# Altium PCB keyboard.PcbDoc (part 3 of 3)
Units mil, origin at the board's own origin, x right, y up, seen from the top; angles counter-clockwise.
Board outline 13687.52 x 5395.09 mil, 2 copper layers (Top Layer, Bottom Layer), stack 61.89 mil thick; 91 components, 118 nets, 875 pads, 1755 vias.
Unrouted connection lines stored in the file: 101.
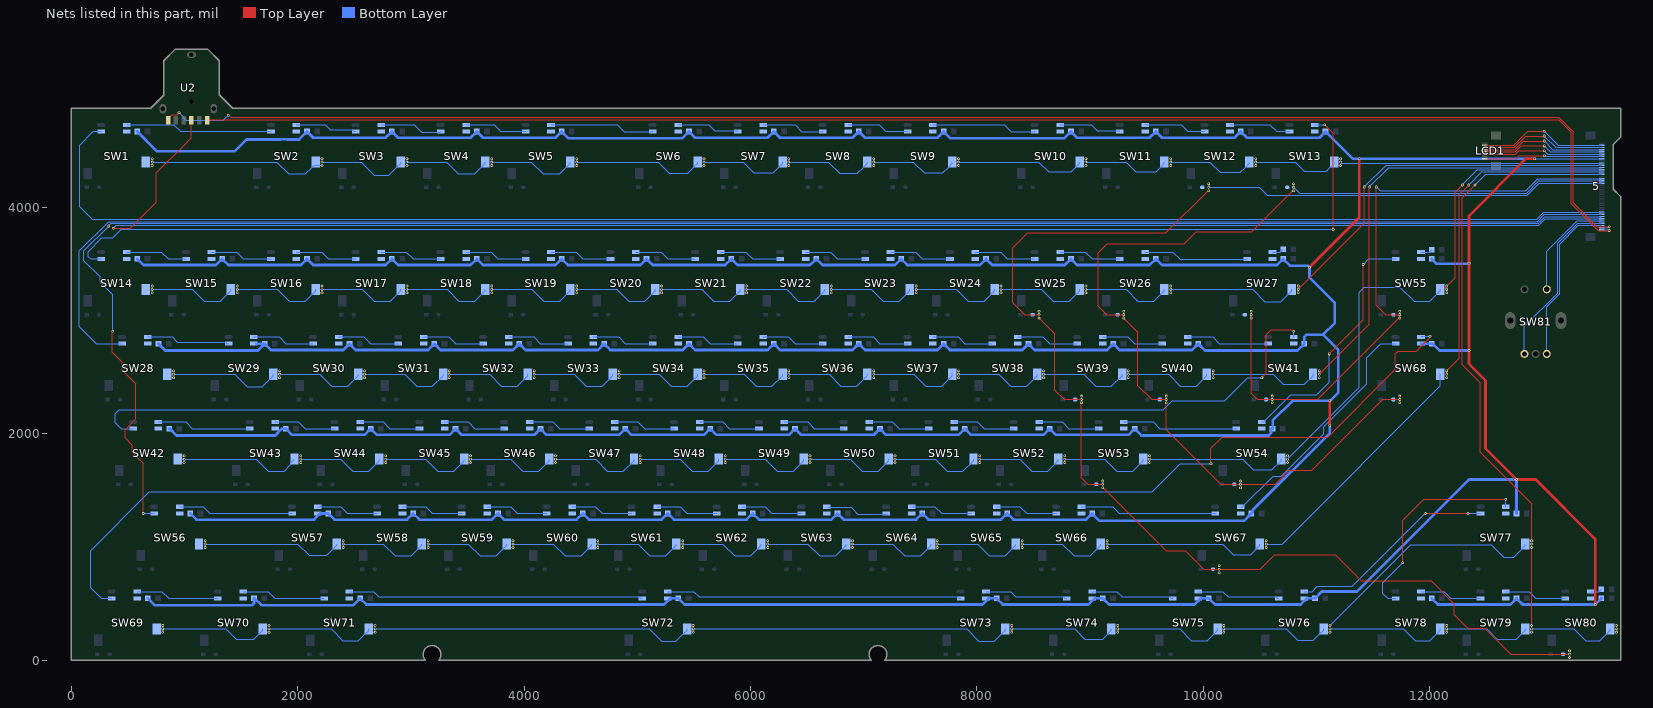
[diagram p3: the nets of this part, all layers, seen from the top]

## Via types
v1: diameter 24, hole 12, Top Layer to Bottom Layer, tented both sides, 1755 vias

## Nets (pads, with @x,y where several pads share a name; then routed paths per layer and width w, separated by ;. In a path a pad name is that pad's centre, name@x,y a point inside that pad or via, vN(x,y) a via of type N, cw(c..) or ccw(c..) an arc to the next point about the centre after c; other vN are vias at no path point) (continued)
KEY_POS12: 5.22 SW12.2 SW25.2 SW39.2 SW53.2 SW67.2 SW80.2 | length 12982.3
  Top Layer w10: v1(8548.86,3022.47) 8553.58,3022.47 8558.6,3017.45 8558.6,3012.73 8688.76,2882.57 8688.76,2385.01 8771.32,2302.45 v1(8923.88,2302.45) ; v1(8548.88,3052.45) 8421.32,3052.45 8318.76,3155.01 8318.76,3645.01 8448.76,3775.01 9670.34,3775.01 10042.78,4147.45 v1(10048.86,4147.45) ; v1(8923.86,2272.47) 8923.86,1609.91 8981.32,1552.45 v1(9111.38,1552.45) ; v1(9111.36,1522.47) 9116.08,1522.47 9673.53,965.01 9842.15,965.01 10004.71,802.45 v1(10142.6,802.45) 10506.2,802.45 10633.76,930.01 11168.76,930.01 11398.76,700.01 12013.76,700.01 12218.76,495.01 12218.76,400.01 12338.76,280.01 12488.76,280.01 12716.29,52.48 v1(13236.38,52.48)
  Bottom Layer w6: v1(10048.88,4177.44) 10496.33,4177.44 10564.76,4109.01 12863.86,4109.01 12969.86,4215.01 13520.67,4215.01 5.22@13521.26,4214.42
  other v1: 13236.36,22.49 13236.38,82.48 10142.58,772.47 10142.6,832.45 9111.38,1582.45 8923.88,2332.45 8548.88,3082.45 10048.88,4207.44
KEY_POS13: 5.23 SW13.2 SW26.2 SW40.2 SW54.2 SW68.2 | length 9234.7
  Top Layer w10: v1(9298.86,3022.47) 9303.58,3022.47 9308.6,3017.45 9308.6,3012.73 9423.76,2897.57 9423.76,2425.01 9546.32,2302.45 v1(9673.88,2302.45) ; v1(9298.88,3052.45) 9146.32,3052.45 9073.76,3125.01 9073.76,3600.01 9153.76,3680.01 9833.76,3680.01 9938.76,3785.01 10430.34,3785.01 10792.78,4147.45 v1(10798.86,4147.45) ; v1(9673.86,2272.47) 9673.86,2034.91 10156.32,1552.45 v1(10330.1,1552.45) 10636.2,1552.45 10758.76,1675.01 10958.76,1675.01 11586.2,2302.45 v1(11736.38,2302.45)
  Bottom Layer w6: v1(10798.88,4177.44) 10851.3,4125.01 12857.23,4125.01 12966.32,4234.11 5.23@13521.26,4234.11
  other v1: 10330.08,1522.47 10330.1,1582.45 11736.36,2272.47 9673.88,2332.45 11736.38,2332.45 9298.88,3082.45 10798.88,4207.44
KEY_POS14: 5.24 SW27.2 SW41.2 SW55.2 | length 5695.1
  Top Layer w10: v1(10423.88,3052.45) 10423.88,2356.2 10477.63,2302.45 v1(10611.38,2302.45) 11011.2,2302.45 11268.76,2560.01 11268.76,2560.95 11736.38,3028.57 v1(11736.38,3052.45) 11611.32,3052.45 11528.76,3135.01 v1(11528.76,4180.01)
  Bottom Layer w6: v1(11528.76,4180.01) 11563.76,4145.01 12848.76,4145.01 12957.54,4253.79 5.24@13521.26,4253.79
  other v1: 10611.36,2272.47 10611.38,2332.45 10423.86,3022.47 11736.36,3022.47 10423.88,3082.45 11736.38,3082.45
KEY_SEG1: 5.31 SW1.1 SW2.1 SW3.1 SW4.1 SW5.1 SW6.1 SW7.1 SW8.1 SW9.1 SW10.1 SW11.1 SW12.1 SW13.1 | length 13225.8
  Bottom Layer w6: v1(11213.76,4400) 11222.17,4391.59 5.31@13521.26,4391.59
  Bottom Layer w10: v1(713.76,4400) 1813.77,4400 1918.76,4295.01 2067.02,4295.01 2125.57,4353.56 2125.57,4355.8 2139.78,4370.01 v1(2213.74,4370.01) ; v1(2213.76,4400) 2558.77,4400 2673.76,4285.01 2803.76,4285.01 2874.55,4355.8 2875.57,4355.8 2908.76,4388.99 2908.76,4399.22 SW3.1@2907.97,4400.01 ; v1(2963.76,4400) 3313.77,4400 3418.76,4295.01 3564.75,4295.01 3657.94,4388.2 SW4.1@3657.97,4400.01 ; v1(3713.76,4400) 4063.77,4400 4168.76,4295.01 4314.75,4295.01 4407.94,4388.2 SW5.1@4407.94,4400.01 ; v1(4463.73,4400) 5183.77,4400 5283.76,4300.01 5443.76,4300.01 5499.55,4355.8 5500.58,4355.8 5533.76,4388.98 5533.76,4399.23 SW6.1@5532.98,4400.01 ; v1(5588.76,4400) 5933.77,4400 6028.76,4305.01 6198.76,4305.01 6249.55,4355.8 6250.58,4355.8 6282.98,4388.2 SW7.1@6282.98,4400.01 ; v1(6338.76,4400) 6688.77,4400 6788.76,4300.01 6943.76,4300.01 6999.55,4355.8 7000.58,4355.8 7032.98,4388.2 SW8.1@7032.98,4400.01 ; v1(7088.76,4400) 7438.77,4400 7533.76,4305.01 7698.76,4305.01 7749.55,4355.8 7750.58,4355.8 7782.98,4388.2 SW9.1@7782.98,4400.01 ; v1(7838.76,4400) 8548.77,4400 8633.76,4315.01 8833.76,4315.01 8874.55,4355.8 8875.58,4355.8 8907.98,4388.2 SW10.1@8907.98,4400.01 ; v1(8963.76,4400) 9318.77,4400 9403.76,4315.01 9583.76,4315.01 9624.55,4355.8 9625.58,4355.8 9657.98,4388.2 SW11.1@9657.98,4400.01 ; v1(9713.76,4400) 10058.77,4400 10148.76,4310.01 10328.76,4310.01 10374.55,4355.8 10375.58,4355.8 10408.76,4388.98 10408.76,4399.23 SW12.1@10407.98,4400.01 ; v1(10463.76,4400) 10813.77,4400 10893.76,4320.01 11088.76,4320.01 11124.55,4355.8 11125.58,4355.8 11158.76,4388.98 11158.76,4399.23 SW13.1@11157.98,4400.01
  other v1: 713.74,4370.01 2963.74,4370.01 3713.74,4370.01 4463.71,4370.01 5588.75,4370.01 6338.75,4370.01 7088.75,4370.01 7838.75,4370.01 8963.75,4370.01 9713.75,4370.01 10463.75,4370.01 11213.75,4370.01 713.76,4430 2213.76,4430 2963.76,4430 3713.76,4430 4463.73,4430 5588.76,4430 6338.76,4430 7088.76,4430 7838.76,4430 8963.76,4430 9713.76,4430 10463.76,4430 11213.76,4430
KEY_SEG2: 5.30 SW14.1 SW15.1 SW16.1 SW17.1 SW18.1 SW19.1 SW20.1 SW21.1 SW22.1 SW23.1 SW24.1 SW25.1 SW26.1 SW27.1 | length 13949
  Top Layer w6: v1(10838.76,3275.01) 10838.76,3275.31 11423.76,3860.31 v1(11423.76,4180.01)
  Bottom Layer w6: v1(11423.76,4180.01) 11615.65,4371.9 5.30@13521.26,4371.9
  Bottom Layer w10: v1(713.76,3275.01) 1068.76,3275.01 1173.76,3170.01 1314.77,3170.01 1407.97,3263.22 SW15.1@1407.97,3275.03 ; v1(1463.76,3275.01) 1818.76,3275.01 1923.76,3170.01 2064.76,3170.01 2157.97,3263.22 SW16.1@2157.97,3275.03 ; v1(2213.76,3275.01) 2568.76,3275.01 2673.76,3170.01 2814.76,3170.01 2907.97,3263.22 SW17.1@2907.97,3275.03 ; v1(2963.76,3275.01) 3318.76,3275.01 3423.76,3170.01 3564.76,3170.01 3657.97,3263.22 SW18.1@3657.97,3275.03 ; v1(3713.76,3275.01) 4068.76,3275.01 4173.76,3170.01 4314.76,3170.01 4407.97,3263.22 SW19.1@4407.94,3275.03 ; v1(4463.73,3275.01) 4818.73,3275.01 4923.73,3170.01 5064.74,3170.01 5157.94,3263.22 SW20.1@5157.94,3275.03 ; v1(5213.72,3275.01) 5568.72,3275.01 5673.72,3170.01 5814.73,3170.01 5907.93,3263.22 SW21.1@5907.98,3275.03 ; v1(5963.76,3275.01) 6318.76,3275.01 6423.76,3170.01 6564.77,3170.01 6657.97,3263.22 SW22.1@6657.98,3275.03 ; v1(6713.76,3275.01) 7068.76,3275.01 7173.76,3170.01 7314.77,3170.01 7407.97,3263.22 SW23.1@7407.98,3275.03 ; v1(7463.76,3275.01) 7818.76,3275.01 7923.76,3170.01 8064.77,3170.01 8157.97,3263.22 SW24.1@8157.98,3275.03 ; v1(8213.76,3275.01) 8568.76,3275.01 8673.76,3170.01 8814.77,3170.01 8907.97,3263.22 SW25.1@8907.98,3275.03 ; v1(8963.76,3275.01) 9318.76,3275.01 9423.76,3170.01 9564.77,3170.01 9657.97,3263.22 SW26.1@9657.98,3275.03 ; v1(9713.76,3275.01) 10436.04,3275.01 10546.04,3165.01 10684.77,3165.01 10782.98,3263.22 SW27.1@10782.98,3275.03
  other v1: 713.74,3245.03 1463.74,3245.03 2213.74,3245.03 2963.74,3245.03 3713.74,3245.03 4463.71,3245.03 5213.71,3245.03 5963.75,3245.03 6713.75,3245.03 7463.75,3245.03 8213.75,3245.03 8963.75,3245.03 9713.75,3245.03 10838.75,3245.03 713.76,3305.01 1463.76,3305.01 2213.76,3305.01 2963.76,3305.01 3713.76,3305.01 4463.73,3305.01 5213.72,3305.01 5963.76,3305.01 6713.76,3305.01 7463.76,3305.01 8213.76,3305.01 8963.76,3305.01 9713.76,3305.01 10838.76,3305.01
KEY_SEG3: 5.29 SW28.1 SW29.1 SW30.1 SW31.1 SW32.1 SW33.1 SW34.1 SW35.1 SW36.1 SW37.1 SW38.1 SW39.1 SW40.1 SW41.1 | length 14574.4
  Top Layer w6: v1(11026.26,2525.01) 11026.26,2525.31 11468.76,2967.81 v1(11468.76,4180.01)
  Bottom Layer w6: v1(11468.76,4180.01) 11640.96,4352.22 5.29@13521.26,4352.22
  Bottom Layer w10: v1(901.26,2525.01) 1443.76,2525.01 1553.76,2415.01 1684.77,2415.01 1782.97,2513.22 SW29.1@1782.97,2525.03 ; v1(1838.76,2525.01) 2193.76,2525.01 2298.76,2420.01 2439.76,2420.01 2532.97,2513.22 SW30.1@2532.97,2525.03 ; v1(2588.76,2525.01) 2943.76,2525.01 3048.76,2420.01 3189.76,2420.01 3282.97,2513.22 SW31.1@3282.97,2525.03 ; v1(3338.76,2525.01) 3693.76,2525.01 3798.76,2420.01 3939.76,2420.01 4032.97,2513.22 SW32.1@4032.97,2525.03 ; v1(4088.76,2525.01) 4443.76,2525.01 4548.76,2420.01 4689.76,2420.01 4782.97,2513.22 SW33.1@4782.98,2525.03 ; v1(4838.76,2525.01) 5193.76,2525.01 5298.76,2420.01 5439.77,2420.01 5532.97,2513.22 SW34.1@5532.98,2525.03 ; v1(5588.76,2525.01) 5943.76,2525.01 6048.76,2420.01 6189.77,2420.01 6282.97,2513.22 SW35.1@6282.98,2525.03 ; v1(6338.76,2525.01) 6693.76,2525.01 6798.76,2420.01 6939.77,2420.01 7032.97,2513.22 SW36.1@7032.98,2525.03 ; v1(7088.76,2525.01) 7443.76,2525.01 7548.76,2420.01 7689.77,2420.01 7782.97,2513.22 SW37.1@7782.98,2525.03 ; v1(7838.76,2525.01) 8193.76,2525.01 8298.76,2420.01 8439.77,2420.01 8532.97,2513.22 SW38.1@8532.98,2525.03 ; v1(8588.76,2525.01) 8943.76,2525.01 9048.76,2420.01 9189.77,2420.01 9282.97,2513.22 SW39.1@9282.98,2525.03 ; v1(9338.76,2525.01) 9693.76,2525.01 9798.76,2420.01 9939.77,2420.01 10032.97,2513.22 SW40.1@10032.98,2525.03 ; v1(10088.76,2525.01) 10618.76,2525.01 10708.76,2435.01 10892.27,2435.01 10970.48,2513.22 SW41.1@10970.48,2525.03
  other v1: 901.24,2495.03 1838.74,2495.03 2588.74,2495.03 3338.74,2495.03 4088.74,2495.03 4838.75,2495.03 5588.75,2495.03 6338.75,2495.03 7088.75,2495.03 7838.75,2495.03 8588.75,2495.03 9338.75,2495.03 10088.75,2495.03 11026.25,2495.03 901.26,2555.01 1838.76,2555.01 2588.76,2555.01 3338.76,2555.01 4088.76,2555.01 4838.76,2555.01 5588.76,2555.01 6338.76,2555.01 7088.76,2555.01 7838.76,2555.01 8588.76,2555.01 9338.76,2555.01 10088.76,2555.01 11026.26,2555.01
KEY_SEG4: 5.28 SW42.1 SW43.1 SW44.1 SW45.1 SW46.1 SW47.1 SW48.1 SW49.1 SW50.1 SW51.1 SW52.1 SW53.1 SW54.1 SW55.1 | length 15036.1
  Top Layer w10: 12143.76,3285.01 12143.76,3294.69 12228.76,3379.69 12228.76,4135.01 v1(12291.26,4197.51)
  Bottom Layer w6: v1(12291.26,4197.51) 12291.26,4200.03 12423.76,4332.53 5.28@13521.26,4332.53
  Bottom Layer w10: v1(994.98,1775.01) 1633.76,1775.01 1738.76,1670.01 1878.76,1670.01 1938.07,1729.32 1938.07,1742.63 SW43.1@1970.47,1775.03 ; v1(2026.26,1775.01) 2381.26,1775.01 2486.26,1670.01 2627.26,1670.01 2720.47,1763.22 SW44.1@2720.47,1775.03 ; v1(2776.26,1775.01) 3131.26,1775.01 3236.26,1670.01 3377.26,1670.01 3470.47,1763.22 SW45.1@3470.47,1775.03 ; v1(3526.26,1775.01) 3881.26,1775.01 3986.26,1670.01 4127.26,1670.01 4220.47,1763.22 SW46.1@4220.48,1775.03 ; v1(4276.27,1775.01) 4631.27,1775.01 4736.27,1670.01 4877.27,1670.01 4970.48,1763.22 SW47.1@4970.48,1775.03 ; v1(5026.26,1775.01) 5381.26,1775.01 5486.26,1670.01 5627.27,1670.01 5720.47,1763.22 SW48.1@5720.48,1775.03 ; v1(5776.26,1775.01) 6131.26,1775.01 6236.26,1670.01 6377.27,1670.01 6470.47,1763.22 SW49.1@6470.48,1775.03 ; v1(6526.26,1775.01) 6881.26,1775.01 6986.26,1670.01 7127.27,1670.01 7220.47,1763.22 SW50.1@7220.48,1775.03 ; v1(7276.26,1775.01) 7631.26,1775.01 7736.26,1670.01 7877.27,1670.01 7970.47,1763.22 SW51.1@7970.48,1775.03 ; v1(8026.26,1775.01) 8381.26,1775.01 8486.26,1670.01 8627.27,1670.01 8720.47,1763.22 SW52.1@8720.48,1775.03 ; v1(8776.26,1775.01) 9131.26,1775.01 9236.26,1670.01 9377.27,1670.01 9470.47,1763.22 SW53.1@9470.48,1775.03 ; v1(9526.26,1775.01) 10348.76,1775.01 10443.76,1680.01 10605.99,1680.01 10689.2,1763.22 SW54.1@10689.2,1775.03 ; v1(10744.98,1775.01) 11378.76,2408.79 11378.76,3250.01 11423.76,3295.01 11738.76,3295.01 11863.76,3170.01 12002.27,3170.01 12063.08,3230.82 12095.48,3263.22 SW55.1@12095.48,3275.03
  other v1: 994.96,1745.03 2026.24,1745.03 2776.24,1745.03 3526.24,1745.03 4276.25,1745.03 5026.25,1745.03 5776.25,1745.03 6526.25,1745.03 7276.25,1745.03 8026.25,1745.03 8776.25,1745.03 9526.25,1745.03 10744.97,1745.03 994.98,1805.01 2026.26,1805.01 2776.26,1805.01 3526.26,1805.01 4276.27,1805.01 5026.26,1805.01 5776.26,1805.01 6526.26,1805.01 7276.26,1805.01 8026.26,1805.01 8776.26,1805.01 9526.26,1805.01 10744.98,1805.01 12151.25,3245.03 12151.26,3275.01 12151.26,3305.01
KEY_SEG5: 5.27 SW56.1 SW57.1 SW58.1 SW59.1 SW60.1 SW61.1 SW62.1 SW63.1 SW64.1 SW65.1 SW66.1 SW67.1 SW68.1 | length 14979.4
  Top Layer w10: v1(12151.26,2525.01) v1(12151.26,2555.01) 12154.08,2555.01 12263.76,2664.69 12263.76,4115.01 v1(12346.26,4197.51)
  Bottom Layer w6: v1(12346.26,4197.51) 12461.59,4312.85 5.27@13521.26,4312.85
  Bottom Layer w10: v1(1182.51,1025.01) 1998.76,1025.01 2098.76,925.01 2253.76,925.01 2309.56,980.82 2313.07,980.82 2345.47,1013.22 SW57.1@2345.47,1025.03 ; v1(2401.26,1025.01) 2756.26,1025.01 2861.26,920.01 3002.26,920.01 3095.47,1013.22 SW58.1@3095.47,1025.03 ; v1(3151.26,1025.01) 3506.26,1025.01 3611.26,920.01 3752.26,920.01 3845.47,1013.22 SW59.1@3845.47,1025.03 ; v1(3901.26,1025.01) 4256.26,1025.01 4361.26,920.01 4502.26,920.01 4595.47,1013.22 SW60.1@4595.48,1025.03 ; v1(4651.26,1025.01) 5006.26,1025.01 5111.26,920.01 5252.27,920.01 5345.47,1013.22 SW61.1@5345.48,1025.03 ; v1(5401.26,1025.01) 5756.26,1025.01 5861.26,920.01 6002.27,920.01 6095.47,1013.22 SW62.1@6095.48,1025.03 ; v1(6151.26,1025.01) 6506.26,1025.01 6611.26,920.01 6752.27,920.01 6845.47,1013.22 SW63.1@6845.48,1025.03 ; v1(6901.26,1025.01) 7256.26,1025.01 7361.26,920.01 7502.27,920.01 7595.47,1013.22 SW64.1@7595.48,1025.03 ; v1(7651.26,1025.01) 8006.26,1025.01 8111.26,920.01 8252.27,920.01 8345.47,1013.22 SW65.1@8345.48,1025.03 ; v1(8401.26,1025.01) 8756.26,1025.01 8861.26,920.01 9002.27,920.01 9095.47,1013.22 SW66.1@9095.48,1025.03 ; v1(9151.26,1025.01) 10170.99,1025.01 10265.99,930.01 10418.49,930.01 10501.7,1013.22 SW67.1@10501.7,1025.03 ; v1(10557.48,1025.01) 10698.76,1025.01 12095.48,2421.73 SW68.1@12095.48,2525.03
  other v1: 1182.49,995.03 2401.24,995.03 3151.24,995.03 3901.24,995.03 4651.25,995.03 5401.25,995.03 6151.25,995.03 6901.25,995.03 7651.25,995.03 8401.25,995.03 9151.25,995.03 10557.47,995.03 1182.51,1055.01 2401.26,1055.01 3151.26,1055.01 3901.26,1055.01 4651.26,1055.01 5401.26,1055.01 6151.26,1055.01 6901.26,1055.01 7651.26,1055.01 8401.26,1055.01 9151.26,1055.01 10557.48,1055.01 12151.25,2495.03
KEY_SEG6: 5.26 SW69.1 SW70.1 SW71.1 SW72.1 SW73.1 SW74.1 SW75.1 SW76.1 SW77.1 SW78.1 SW79.1 SW80.1 | length 20638.3
  Top Layer w10: v1(12401.31,4197.57) 12288.76,4085.01 12288.76,2610.01 12448.76,2450.01 12448.76,1835.01 12901.26,1382.51 v1(12901.26,1055.01) ; v1(12901.26,275.04) v1(12901.26,305.04) v1(12901.25,995.03)
  Bottom Layer w6: v1(12401.31,4197.57) 12496.91,4293.16 5.26@13521.26,4293.16
  Bottom Layer w10: v1(807.51,275.04) 1363.73,275.04 1453.76,185.01 1610.96,185.01 1689.19,263.24 SW70.1@1689.19,275.05 ; v1(1744.98,275.04) 2293.76,275.01 2398.76,170.01 2533.76,170.01 2603.78,240.03 2607.54,240.03 2626.72,259.21 SW71.1@2626.72,275.05 ; v1(2682.51,275.04) 5103.73,275.04 5213.76,165.01 5340.97,165.01 5406.8,230.84 5439.2,263.24 SW72.1@5439.2,275.05 ; v1(5494.98,275.04) 7908.73,275.04 8018.76,165.01 8153.49,165.01 8219.32,230.84 8251.72,263.24 SW73.1@8251.72,275.05 ; v1(8307.5,275.04) 8864.12,275.04 8954.15,185.01 9110.97,185.01 9189.2,263.24 SW74.1@9189.2,275.05 ; v1(9244.98,275.04) 9793.73,275.04 9896.42,172.35 10035.83,172.35 10126.72,263.24 SW75.1@10126.72,275.05 ; v1(10182.5,275.04) 10733.73,275.04 10833.76,175.01 10973.76,175.01 11029.59,230.84 11031.8,230.84 11064.2,263.24 SW76.1@11064.2,275.05 ; v1(11119.98,275.04) 11768.73,275.04 11873.76,170.01 12002.25,170.01 12095.48,263.24 SW78.1@12095.48,275.05 ; v1(11119.98,305.04) 11834.96,1020.01 12543.76,1020.01 12653.76,910.01 12742.27,910.01 12813.08,980.82 12845.48,1013.22 SW77.1@12845.48,1025.03 ; v1(12151.26,275.04) 12503.73,275.04 12595.68,183.09 12765.33,183.09 12845.48,263.24 SW79.1@12845.48,275.05 ; v1(12901.26,275.04) 13274.07,275.04 13379.09,170.01 13502.25,170.01 13595.48,263.24 SW80.1@13595.48,275.05
  other v1: 807.49,245.05 1744.96,245.05 2682.49,245.05 5494.97,245.05 8307.49,245.05 9244.97,245.05 10182.49,245.05 11119.97,245.05 12151.25,245.05 12901.25,245.05 13651.25,245.05 13651.26,275.04 807.51,305.04 1744.98,305.04 2682.51,305.04 5494.98,305.04 8307.5,305.04 9244.98,305.04 10182.5,305.04 12151.26,305.04 13651.26,305.04 12901.26,1025.01
LEDA: 5.34 LCD1.1 | length 1045.8
  Top Layer w6: LCD1.1@12487.95,4430.96 12769.7,4430.96 12794.59,4455.85 v1(13013.76,4455.85)
  Bottom Layer w6: v1(13013.76,4455.85) 13018.63,4455.85 13023.83,4450.64 5.34@13521.26,4450.64
LEFT_A: 5.2 U2.6 | length 13668
  Top Layer w6: U2.6@853.31,4769.64 853.31,4789.33 883.98,4820 935,4820 v1(950,4835) ; v1(1385,4815) 1405,4795 13143.77,4795 13269.76,4669.01 13269.76,4039.01 13478.96,3829.81 v1(13588.76,3829.81)
  Bottom Layer w6: v1(950,4835) 1015,4770 1340,4770 v1(1385,4815) ; 5.2@13521.26,3820.72 13574.8,3820.72 13583.89,3829.81 v1(13588.76,3829.81)
LEFT_B: 5.1 U2.1 | length 13239
  Top Layer w6: U2.1@1197.8,4769.64 1204.16,4776 1330,4776 13140.14,4776 13253.76,4662.38 13253.76,4032.38 13491.13,3795.01 v1(13588.76,3795.01)
  Bottom Layer w6: 5.1@13521.26,3801.04 13577.86,3801.04 13583.89,3795.01 v1(13588.76,3795.01)
LEFT_KEY: 5.6 U2.3 | length 14516.2
  Top Layer w6: v1(369.44,3814.33) 519.33,3814.33 750,4045 750,4305 995,4550 1060,4615 U2.3@1060,4769.64
  Bottom Layer w6: v1(369.44,3814.33) 396.79,3841.69 12965.44,3841.69 13023.21,3899.46 5.6@13521.26,3899.46
NET_TO1: SW13.4 SW14.6 | length 12290.4
  Top Layer w6: v1(11073.29,4729.54) 11148.76,4654.07 v1(11148.76,3805.01)
  Bottom Layer w6: SW14.6@262.77,3545.5 168.27,3545.5 148.76,3565.01 148.76,3610.01 268.76,3730.01 363.76,3730.01 438.76,3805.01 v1(11148.76,3805.01) ; SW13.4@10987.18,4729.54 v1(11073.29,4729.54) v1@11073.76,4730.01
NET_TO2: SW41.4 SW42.6 | length 11229.6
  Top Layer w6: v1(10518.76,2495.01) 10558.76,2535.01 10558.76,2875.01 10601.27,2917.53 10692.25,2917.53 10787.17,2917.53 10798.76,2905.94 v1(10799.68,2905.94)
  Bottom Layer w6: SW42.6@543.99,2045.5 438.27,2045.5 388.76,2095.01 388.76,2175.01 423.76,2210.01 9648.77,2210.01 9728.77,2290.01 10188.76,2290.01 10393.76,2495.01 v1(10518.76,2495.01) ; SW41.4@10799.68,2854.56 v1(10799.68,2905.94)
NET_TO3: SW68.4 SW69.6 | length 13417.2
  Top Layer w6: v1(10068.76,1735.01) 10068.76,1870.01 10168.76,1970.01 11098.76,1970.01 11698.76,2570.01 11698.76,2705.01 11723.76,2730.01 11883.76,2730.01 12003.76,2850.01 v1(12003.76,2860.01)
  Bottom Layer w6: SW69.6@356.52,545.53 263.24,545.53 168.76,640.01 168.76,965.01 688.76,1485.01 9548.6,1485.01 9798.6,1735.01 v1(10068.76,1735.01) ; SW68.4@11924.68,2854.56 11930.14,2860.01 v1(12003.76,2860.01)
NetR1_1: R1.1 SW27.4 | length 104.6
  Bottom Layer w10: SW27.4@10612.18,3604.56 10680.96,3604.56 R1.1@10706.26,3629.85
NetR2_1: R2.1 SW55.4 | length 102.6
  Bottom Layer w10: SW55.4@11924.68,3604.56 11998.3,3604.56 R2.1@12018.76,3625.01
NetR3_1: R3.1 SW80.4 | length 102.5
  Bottom Layer w10: SW80.4@13424.68,604.58 13498.49,604.58 R3.1@13518.76,624.85
NetSW1_4: SW1.4 SW2.6 | length 1300
  Bottom Layer w6: SW1.4@487.18,4729.54 905.46,4729.54 964.52,4670.48 SW2.6@1762.77,4670.48
NetSW2_4: SW2.4 SW3.6 | length 550.1
  Bottom Layer w6: SW2.4@1987.18,4729.54 2244.23,4729.54 2288.57,4685.2 2482.3,4685.2 2497.02,4670.48 SW3.6@2512.77,4670.48
NetSW3_4: SW3.4 SW4.6 | length 554.6
  Bottom Layer w6: SW3.4@2737.18,4729.54 3029.23,4729.54 3093.76,4665.01 3257.29,4665.01 SW4.6@3262.77,4670.48
NetSW4_4: SW4.4 SW5.6 | length 550
  Bottom Layer w6: SW4.4@3487.18,4729.54 3734.23,4729.54 3793.29,4670.48 SW5.6@4012.74,4670.48
NetSW5_4: SW5.4 SW6.6 | length 925.5
  Bottom Layer w6: SW5.4@4237.15,4729.54 4824.23,4729.54 4883.76,4670.01 5137.3,4670.01 SW6.6@5137.77,4670.48
NetSW6_4: SW6.4 SW7.6 | length 550.1
  Bottom Layer w6: SW6.4@5362.18,4729.54 5629.23,4729.54 5683.76,4675.01 5883.24,4675.01 SW7.6@5887.77,4670.48
NetSW7_4: SW7.4 SW8.6 | length 550.4
  Bottom Layer w6: SW7.4@6112.18,4729.54 6394.23,4729.54 6453.76,4670.01 6637.3,4670.01 SW8.6@6637.77,4670.48
NetSW8_4: SW8.4 SW9.6 | length 550.1
  Bottom Layer w6: SW8.4@6862.18,4729.54 7136.61,4729.54 7195.66,4670.48 SW9.6@7387.77,4670.48
NetSW9_4: SW9.4 SW10.6 | length 925.4
  Bottom Layer w6: SW9.4@7612.18,4729.54 8244.23,4729.54 8303.76,4670.01 8512.3,4670.01 SW10.6@8512.77,4670.48
NetSW10_4: SW10.4 SW11.6 | length 550.1
  Bottom Layer w6: SW10.4@8737.18,4729.54 9009.23,4729.54 9063.76,4675.01 9258.24,4675.01 SW11.6@9262.77,4670.48
NetSW11_4: SW11.4 SW12.6 | length 550.1
  Bottom Layer w6: SW11.4@9487.18,4729.54 9804.23,4729.54 9863.29,4670.48 SW12.6@10012.77,4670.48
NetSW12_4: SW12.4 SW13.6 | length 550.1
  Bottom Layer w6: SW12.4@10237.18,4729.54 10589.23,4729.54 10648.29,4670.48 SW13.6@10762.77,4670.48
NetSW14_4: SW14.4 SW15.6 | length 550.5
  Bottom Layer w6: SW14.4@487.18,3604.56 794.21,3604.56 853.76,3545.01 1012.28,3545.01 SW15.6@1012.77,3545.5
NetSW15_4: SW15.4 SW16.6 | length 550.1
  Bottom Layer w6: SW15.4@1237.18,3604.56 1459.21,3604.56 1518.27,3545.5 SW16.6@1762.77,3545.5
NetSW16_4: SW16.4 SW17.6 | length 550.1
  Bottom Layer w6: SW16.4@1987.18,3604.56 2209.21,3604.56 2268.27,3545.5 SW17.6@2512.77,3545.5
NetSW17_4: SW17.4 SW18.6 | length 550.1
  Bottom Layer w6: SW17.4@2737.18,3604.56 2959.21,3604.56 3018.27,3545.5 SW18.6@3262.77,3545.5
NetSW18_4: SW18.4 SW19.6 | length 550.1
  Bottom Layer w6: SW18.4@3487.18,3604.56 3709.21,3604.56 3768.27,3545.5 SW19.6@4012.74,3545.5
NetSW19_4: SW19.4 SW20.6 | length 550.1
  Bottom Layer w6: SW19.4@4237.15,3604.56 4459.19,3604.56 4518.24,3545.5 SW20.6@4762.73,3545.5
NetSW20_4: SW20.4 SW21.6 | length 550.1
  Bottom Layer w6: SW20.4@4987.14,3604.56 5209.18,3604.56 5268.24,3545.5 SW21.6@5512.77,3545.5
NetSW21_4: SW21.4 SW22.6 | length 550.1
  Bottom Layer w6: SW21.4@5737.18,3604.56 5959.22,3604.56 6018.28,3545.5 SW22.6@6262.77,3545.5
NetSW22_4: SW22.4 SW23.6 | length 550.1
  Bottom Layer w6: SW22.4@6487.18,3604.56 6709.22,3604.56 6768.28,3545.5 SW23.6@7012.77,3545.5
NetSW23_4: SW23.4 SW24.6 | length 550.1
  Bottom Layer w6: SW23.4@7237.18,3604.56 7459.22,3604.56 7518.28,3545.5 SW24.6@7762.77,3545.5
NetSW24_4: SW24.4 SW25.6 | length 550.1
  Bottom Layer w6: SW24.4@7987.18,3604.56 8209.22,3604.56 8268.28,3545.5 SW25.6@8512.77,3545.5
NetSW25_4: SW25.4 SW26.6 | length 550.1
  Bottom Layer w6: SW25.4@8737.18,3604.56 8959.22,3604.56 9018.28,3545.5 SW26.6@9262.77,3545.5
NetSW26_4: SW26.4 SW27.6 | length 929.6
  Bottom Layer w10: SW26.4@9487.18,3604.56 9731.74,3604.56 9796.29,3540.01 10382.28,3540.01 SW27.6@10387.77,3545.5
NetSW28_4: SW28.4 SW29.6 | length 737.5
  Bottom Layer w6: SW28.4@674.68,2854.56 889.21,2854.56 933.55,2810.22 1357.3,2810.22 1372.02,2795.5 SW29.6@1387.77,2795.5
NetSW29_4: SW29.4 SW30.6 | length 550.1
  Bottom Layer w6: SW29.4@1612.18,2854.56 1834.21,2854.56 1893.27,2795.5 SW30.6@2137.77,2795.5
NetSW30_4: SW30.4 SW31.6 | length 550.1
  Bottom Layer w6: SW30.4@2362.18,2854.56 2584.21,2854.56 2643.27,2795.5 SW31.6@2887.77,2795.5
NetSW31_4: SW31.4 SW32.6 | length 550.1
  Bottom Layer w6: SW31.4@3112.18,2854.56 3334.21,2854.56 3393.27,2795.5 SW32.6@3637.77,2795.5
NetSW32_4: SW32.4 SW33.6 | length 550.1
  Bottom Layer w6: SW32.4@3862.18,2854.56 4084.21,2854.56 4143.27,2795.5 SW33.6@4387.77,2795.5
NetSW33_4: SW33.4 SW34.6 | length 550.1
  Bottom Layer w6: SW33.4@4612.18,2854.56 4834.22,2854.56 4893.28,2795.5 SW34.6@5137.77,2795.5
NetSW34_4: SW34.4 SW35.6 | length 550.1
  Bottom Layer w6: SW34.4@5362.18,2854.56 5584.22,2854.56 5643.28,2795.5 SW35.6@5887.77,2795.5
NetSW35_4: SW35.4 SW36.6 | length 550.1
  Bottom Layer w6: SW35.4@6112.18,2854.56 6334.22,2854.56 6393.28,2795.5 SW36.6@6637.77,2795.5
NetSW36_4: SW36.4 SW37.6 | length 550.1
  Bottom Layer w6: SW36.4@6862.18,2854.56 7084.22,2854.56 7143.28,2795.5 SW37.6@7387.77,2795.5
NetSW37_4: SW37.4 SW38.6 | length 550.1
  Bottom Layer w6: SW37.4@7612.18,2854.56 7834.22,2854.56 7893.28,2795.5 SW38.6@8137.77,2795.5
NetSW38_4: SW38.4 SW39.6 | length 550.1
  Bottom Layer w6: SW38.4@8362.18,2854.56 8584.22,2854.56 8643.28,2795.5 SW39.6@8887.77,2795.5
NetSW39_4: SW39.4 SW40.6 | length 550.1
  Bottom Layer w6: SW39.4@9112.18,2854.56 9334.22,2854.56 9393.28,2795.5 SW40.6@9637.77,2795.5
NetSW40_4: SW40.4 SW41.6 | length 737.6
  Bottom Layer w6: SW40.4@9862.18,2854.56 10084.22,2854.56 10143.28,2795.5 SW41.6@10575.27,2795.5
NetSW42_4: SW42.4 SW43.6 | length 831.3
  Bottom Layer w6: SW42.4@768.4,2104.56 1009.21,2104.56 1068.27,2045.5 SW43.6@1575.27,2045.5
NetSW43_4: SW43.4 SW44.6 | length 550.5
  Bottom Layer w6: SW43.4@1799.68,2104.56 2004.21,2104.56 2063.76,2045.01 2324.78,2045.01 SW44.6@2325.27,2045.5
NetSW44_4: SW44.4 SW45.6 | length 550.5
  Bottom Layer w6: SW44.4@2549.68,2104.56 2754.21,2104.56 2813.76,2045.01 3074.78,2045.01 SW45.6@3075.27,2045.5
NetSW45_4: SW45.4 SW46.6 | length 550.5
  Bottom Layer w6: SW45.4@3299.68,2104.56 3504.21,2104.56 3563.76,2045.01 3824.78,2045.01 SW46.6@3825.28,2045.5
NetSW46_4: SW46.4 SW47.6 | length 550.5
  Bottom Layer w6: SW46.4@4049.69,2104.56 4254.22,2104.56 4313.77,2045.01 4574.79,2045.01 SW47.6@4575.27,2045.5
NetSW47_4: SW47.4 SW48.6 | length 550.5
  Bottom Layer w6: SW47.4@4799.68,2104.56 5004.22,2104.56 5063.76,2045.01 5324.78,2045.01 SW48.6@5325.27,2045.5
NetSW48_4: SW48.4 SW49.6 | length 550.5
  Bottom Layer w6: SW48.4@5549.68,2104.56 5754.22,2104.56 5813.76,2045.01 6074.78,2045.01 SW49.6@6075.27,2045.5
NetSW49_4: SW49.4 SW50.6 | length 550.5
  Bottom Layer w6: SW49.4@6299.68,2104.56 6504.22,2104.56 6563.76,2045.01 6824.78,2045.01 SW50.6@6825.27,2045.5
NetSW50_4: SW50.4 SW51.6 | length 550.5
  Bottom Layer w6: SW50.4@7049.68,2104.56 7254.22,2104.56 7313.76,2045.01 7574.78,2045.01 SW51.6@7575.27,2045.5
NetSW51_4: SW51.4 SW52.6 | length 550.5
  Bottom Layer w6: SW51.4@7799.68,2104.56 8004.22,2104.56 8063.76,2045.01 8324.78,2045.01 SW52.6@8325.27,2045.5
NetSW52_4: SW52.4 SW53.6 | length 550.5
  Bottom Layer w6: SW52.4@8549.68,2104.56 8754.22,2104.56 8813.76,2045.01 9074.78,2045.01 SW53.6@9075.27,2045.5
NetSW53_4: SW53.4 SW54.6 | length 1018.8
  Bottom Layer w10: SW53.4@9299.68,2104.56 9559.21,2104.56 9618.27,2045.5 SW54.6@10293.99,2045.5
NetSW54_4: SW54.4 SW55.6 | length 2212.7
  Top Layer w6: v1(11113.76,2705.01) 11413.76,3005.01 v1(11413.76,3495.01)
  Bottom Layer w6: SW54.4@10518.4,2104.56 10534.15,2104.56 10653.76,2224.16 10653.76,2225.01 10773.76,2345.01 11003.76,2345.01 11113.76,2455.01 v1(11113.76,2705.01) ; v1(11413.76,3495.01) 11464.25,3545.5 SW55.6@11700.27,3545.5
NetSW56_4: SW56.4 SW57.6 | length 1018.8
  Bottom Layer w10: SW56.4@955.93,1354.56 1164.21,1354.56 1223.27,1295.5 SW57.6@1950.27,1295.5
NetSW57_4: SW57.4 SW58.6 | length 550.5
  Bottom Layer w6: SW57.4@2174.68,1354.56 2379.21,1354.56 2438.76,1295.01 2699.78,1295.01 SW58.6@2700.27,1295.5
NetSW58_4: SW58.4 SW59.6 | length 550.5
  Bottom Layer w6: SW58.4@2924.68,1354.56 3129.21,1354.56 3188.76,1295.01 3449.78,1295.01 SW59.6@3450.27,1295.5
NetSW59_4: SW59.4 SW60.6 | length 550.5
  Bottom Layer w6: SW59.4@3674.68,1354.56 3879.21,1354.56 3938.76,1295.01 4199.78,1295.01 SW60.6@4200.27,1295.5
NetSW60_4: SW60.4 SW61.6 | length 550.5
  Bottom Layer w6: SW60.4@4424.68,1354.56 4629.22,1354.56 4688.76,1295.01 4949.78,1295.01 SW61.6@4950.27,1295.5
NetSW61_4: SW61.4 SW62.6 | length 550.5
  Bottom Layer w6: SW61.4@5174.68,1354.56 5379.22,1354.56 5438.76,1295.01 5699.78,1295.01 SW62.6@5700.27,1295.5
NetSW62_4: SW62.4 SW63.6 | length 550.5
  Bottom Layer w6: SW62.4@5924.68,1354.56 6129.22,1354.56 6188.76,1295.01 6449.78,1295.01 SW63.6@6450.27,1295.5
NetSW63_4: SW63.4 SW64.6 | length 550.5
  Bottom Layer w6: SW63.4@6683.76,1350.01 6888.3,1350.01 6947.84,1290.47 7208.86,1290.47 SW64.6@7209.35,1290.96
NetSW64_4: SW64.4 SW65.6 | length 550.5
  Bottom Layer w6: SW64.4@7424.68,1354.56 7629.22,1354.56 7688.76,1295.01 7949.78,1295.01 SW65.6@7950.27,1295.5
NetSW65_4: SW65.4 SW66.6 | length 550.5
  Bottom Layer w6: SW65.4@8174.68,1354.56 8379.22,1354.56 8438.76,1295.01 8699.78,1295.01 SW66.6@8700.27,1295.5
NetSW66_4: SW66.4 SW67.6 | length 1206.3
  Bottom Layer w10: SW66.4@8924.68,1354.56 9199.21,1354.56 9258.27,1295.5 SW67.6@10106.49,1295.5
NetSW67_4: SW67.4 SW68.6 | length 2136.1
  Bottom Layer w6: SW67.4@10330.9,1354.56 10346.65,1354.56 10617.11,1625.01 10688.76,1625.01 11063.76,2000.01 11063.76,2060.01 11443.76,2440.01 11443.76,2670.01 11569.25,2795.5 SW68.6@11700.27,2795.5
NetSW69_4: SW69.4 SW70.6 | length 737.9
  Bottom Layer w10: SW69.4@580.93,604.58 799.19,604.58 858.76,545.01 1293.48,545.01 SW70.6@1293.99,545.53
NetSW70_4: SW70.4 SW71.6 | length 737.9
  Bottom Layer w10: SW70.4@1518.4,604.58 1736.66,604.58 1796.23,545.01 2230.95,545.01 SW71.6@2231.46,545.53
NetSW71_4: SW71.4 SW72.6 | length 2612.5
  Bottom Layer w10: SW71.4@2455.93,604.58 2669.19,604.58 2715.53,558.24 5015.53,558.24 5028.24,545.53 SW72.6@5043.99,545.53
NetSW72_4: SW72.4 SW73.6 | length 2612.6
  Bottom Layer w10: SW72.4@5268.4,604.58 5499.19,604.58 5545.53,558.24 7828.05,558.24 7840.76,545.53 SW73.6@7856.51,545.53
NetSW73_4: SW73.4 SW74.6 | length 737.5
  Bottom Layer w10: SW73.4@8080.92,604.58 8299.18,604.58 8345.52,558.24 8765.53,558.24 8778.24,545.53 SW74.6@8793.99,545.53
NetSW74_4: SW74.4 SW75.6 | length 737.5
  Bottom Layer w10: SW74.4@9018.4,604.58 9236.66,604.58 9283,558.24 9703.05,558.24 9715.76,545.53 SW75.6@9731.46,545.53
NetSW75_4: SW75.4 SW76.6 | length 737.5
  Bottom Layer w10: SW75.4@9955.92,604.58 10174.18,604.58 10220.52,558.24 10640.53,558.24 10653.24,545.53 SW76.6@10668.99,545.53
NetSW76_4: SW76.4 SW77.6 | length 1843.1
  Top Layer w10: v1(11963.76,1295.01) v1(12340.13,1295.01)
  Bottom Layer w10: SW76.4@10893.4,604.58 10963.33,604.58 11008.76,650.01 11318.76,650.01 v1(11963.76,1295.01) ; v1(12340.13,1295.01) 12449.78,1295.01 SW77.6@12450.27,1295.5
NetSW77_4: SW77.4 SW78.6 | length 1904.1
  Top Layer w6: v1(11763.76,858.53) 11763.76,1235.01 11949.68,1420.94 v1(12674.68,1420.94)
  Bottom Layer w6: SW78.6@11700.27,545.53 11629.27,545.53 11588.76,586.04 11588.76,683.53 v1(11763.76,858.53) ; SW77.4@12674.68,1354.56 v1(12674.68,1420.94)
NetSW78_4: SW78.4 SW79.6 | length 550.5
  Bottom Layer w6: SW78.4@11924.68,604.58 12129.22,604.58 12188.76,545.04 12449.78,545.04 SW79.6@12450.27,545.53
NetSW79_4: SW79.4 SW80.6 | length 550.5
  Bottom Layer w6: SW79.4@12674.68,604.58 12879.22,604.58 12938.76,545.04 13199.78,545.04 SW80.6@13200.27,545.53
RES: 5.35 LCD1.3 | length 1057.4
  Top Layer w6: LCD1.3@12487.95,4470.33 12759.07,4470.33 12788.14,4499.4 v1(13013.76,4499.4)
  Bottom Layer w6: v1(13013.76,4499.4) 13042.83,4470.33 5.35@13521.26,4470.33
RS: 5.36 LCD1.4 | length 1077.2
  Top Layer w6: LCD1.4@12487.95,4490.01 12756.13,4490.01 12809.07,4542.95 v1(13013.76,4542.95)
  Bottom Layer w6: v1(13013.76,4542.95) 13066.7,4490.01 5.36@13521.26,4490.01
SCL: 5.38 LCD1.6 | length 1116.7
  Top Layer w6: LCD1.6@12487.95,4529.38 12748.38,4529.38 12849.06,4630.06 v1(13013.76,4630.06)
  Bottom Layer w6: v1(13013.76,4630.06) 13114.43,4529.38 5.38@13521.26,4529.38
SDA: 5.37 LCD1.5 | length 1096.9
  Top Layer w6: LCD1.5@12487.95,4509.7 12751.33,4509.7 12826.64,4585.01 13012.27,4585.01 v1(13013.76,4586.5)
  Bottom Layer w6: v1(13013.76,4586.5) 13090.57,4509.7 5.37@13521.26,4509.7
SW_KEY_A: 5.4 SW81.A | length 1561
  Bottom Layer w6: SW81.A@12839.06,2704.76 12839.06,2947.94 13132.76,3241.64 13132.76,3681.64 13311.21,3860.09 5.4@13521.26,3860.09
SW_KEY_B: 5.3 SW81.B | length 1458
  Bottom Layer w6: SW81.B@13035.91,2704.76 13035.91,3122.16 13148.76,3235.01 13148.76,3675.01 13313.76,3840.01 13520.86,3840.01 5.3@13521.26,3840.41
SW_KEY_NET2: 5.5 SW81.2 | length 932.7
  Bottom Layer w6: SW81.2@13035.91,3275.62 13035.91,3612.16 13303.52,3879.78 5.5@13521.26,3879.78
VCC3V3: 5.33 SW1.3 SW2.3 SW3.3 SW4.3 SW5.3 SW6.3 SW7.3 SW8.3 SW9.3 SW10.3 SW11.3 SW12.3 SW13.3 SW14.3 SW15.3 SW16.3 SW17.3 SW18.3 SW19.3 SW20.3 SW21.3 SW22.3 SW23.3 SW24.3 SW25.3 SW26.3 SW27.3 SW28.3 SW29.3 SW30.3 SW31.3 SW32.3 SW33.3 SW34.3 SW35.3 SW36.3 SW37.3 SW38.3 SW39.3 SW40.3 SW41.3 SW42.3 SW43.3 SW44.3 SW45.3 SW46.3 SW47.3 SW48.3 SW49.3 SW50.3 SW51.3 SW52.3 SW53.3 SW54.3 SW55.3 SW56.3 SW57.3 SW58.3 SW59.3 SW60.3 SW61.3 SW62.3 SW63.3 SW64.3 SW65.3 SW66.3 SW67.3 SW68.3 SW69.3 SW70.3 SW71.3 SW72.3 SW73.3 SW74.3 SW75.3 SW76.3 SW77.3 SW78.3 SW79.3 SW80.3 | length 80741.4
  Top Layer w24: v1(10938.76,3470.95) 11378.76,3910.95 v1(11378.76,4430.01) ; v1(11118.76,2070.01) v1(11118.76,2290.01) ; v1(12928.76,4430.01) 12853.76,4430.01 12348.76,3925.01 v1(12348.76,3505.01) v1(12348.76,2735.01) 12348.76,2615.01 12493.76,2470.01 12493.76,1870.01 v1(12768.76,1595.01) 12938.76,1595.01 13463.92,1069.85 v1(13463.92,490.06)
  Bottom Layer w10: v1@12929.61,4430.86 5.33@13521.16,4430.86
  Bottom Layer w12: v1(12928.76,4430.01) v1@12929.61,4430.86 ; 5.33@13521.16,4430.86 5.33@13521.26,4430.96
  Bottom Layer w24: SW14.3@581.26,3544.87 636.09,3490.04 1276.42,3490.04 SW15.3@1331.25,3544.87 1386.09,3490.04 2026.42,3490.04 SW16.3@2081.25,3544.87 2136.09,3490.04 2776.42,3490.04 SW17.3@2831.25,3544.87 2886.09,3490.04 3526.42,3490.04 SW18.3@3581.25,3544.87 3636.09,3490.04 4276.42,3490.04 SW19.3@4331.23,3544.87 4386.06,3490.04 5026.39,3490.04 SW20.3@5081.22,3544.87 5136.05,3490.04 5776.39,3490.04 SW21.3@5831.26,3544.87 ; SW1.3@581.26,4669.85 756.11,4495 1440.47,4495 1545.47,4600 1843.59,4600 1845.6,4602.01 1904.34,4602.01 1906.36,4600 2011.4,4600 SW2.3@2081.25,4669.85 2136.09,4615.02 2776.42,4615.02 SW3.3@2831.25,4669.85 2886.09,4615.02 3526.42,4615.02 SW4.3@3581.25,4669.85 3636.09,4615.02 4276.42,4615.02 SW5.3@4331.23,4669.85 4391.07,4610.01 5396.42,4610.01 SW6.3@5456.26,4669.85 5511.09,4615.02 6151.42,4615.02 SW7.3@6206.26,4669.85 6261.09,4615.02 6901.42,4615.02 SW8.3@6956.26,4669.85 7011.09,4615.02 7651.42,4615.02 SW9.3@7706.26,4669.85 7766.1,4610.01 8771.42,4610.01 SW10.3@8831.26,4669.85 8886.09,4615.02 9526.42,4615.02 SW11.3@9581.26,4669.85 9636.09,4615.02 10276.42,4615.02 SW12.3@10331.26,4669.85 10386.09,4615.02 11026.42,4615.02 SW13.3@11081.26,4669.85 11176.1,4575.01 11321.1,4430.01 v1(11378.76,4430.01) v1(12928.76,4430.01) ; SW69.3@675.01,544.9 734.89,485.01 1598.42,485.01 1612.48,499.07 SW70.3@1612.48,544.9 1618.19,544.9 1678.07,485.01 2490.12,485.01 SW71.3@2550.01,544.9 2604.84,490.06 5236.18,490.06 5291.01,544.9 SW72.3@5362.48,544.9 5417.31,490.06 8048.7,490.06 8103.53,544.9 SW73.3@8175,544.9 8229.83,490.06 8986.18,490.06 9041.01,544.9 SW74.3@9112.48,544.9 9167.31,490.06 9923.7,490.06 9978.53,544.9 SW75.3@10050,544.9 10104.83,490.06 10861.18,490.06 10916.01,544.9 SW76.3@10987.48,544.9 11047.6,605.01 11358.76,605.01 12348.76,1595.01 v1(12768.76,1595.01) SW77.3@12768.76,1294.87 ; SW28.3@768.76,2794.87 828.61,2735.01 1646.4,2735.01 SW29.3@1706.25,2794.87 ; SW42.3@862.48,2044.87 868.19,2044.87 928.05,1985.01 1800.48,1985.01 1860.34,2044.87 SW43.3@1893.75,2044.87 1948.59,1990.04 2588.92,1990.04 SW44.3@2643.75,2044.87 2698.59,1990.04 3338.92,1990.04 SW45.3@3393.75,2044.87 3448.59,1990.04 4088.92,1990.04 SW46.3@4143.76,2044.87 4198.6,1990.04 4838.93,1990.04 SW47.3@4893.76,2044.87 4948.6,1990.04 5588.93,1990.04 SW48.3@5643.76,2044.87 5698.6,1990.04 6338.93,1990.04 SW49.3@6393.76,2044.87 6448.59,1990.04 7088.92,1990.04 SW50.3@7143.76,2044.87 7198.59,1990.04 7838.92,1990.04 SW51.3@7893.76,2044.87 7948.59,1990.04 8588.92,1990.04 SW52.3@8643.76,2044.87 8698.59,1990.04 9338.92,1990.04 SW53.3@9393.76,2044.87 9453.62,1985.01 10578.76,1985.01 10599.47,2005.73 10599.47,2039.67 10604.68,2044.87 SW54.3@10612.48,2044.87 10613.76,2046.15 10613.76,2115.01 10788.76,2290.01 v1(11118.76,2290.01) 11193.76,2365.01 11193.76,2740.01 11058.76,2875.01 ; SW56.3@1050.01,1294.87 1104.84,1240.04 2142.45,1240.04 2197.28,1294.87 SW57.3@2268.75,1294.87 2323.59,1240.04 2963.92,1240.04 SW58.3@3018.75,1294.87 3073.59,1240.04 3713.92,1240.04 SW59.3@3768.75,1294.87 3823.59,1240.04 4463.92,1240.04 SW60.3@4518.76,1294.87 4573.59,1240.04 5213.92,1240.04 SW61.3@5268.76,1294.87 5323.59,1240.04 5963.92,1240.04 SW62.3@6018.76,1294.87 6073.59,1240.04 6713.92,1240.04 SW63.3@6768.76,1294.87 6823.59,1240.04 7463.92,1240.04 SW64.3@7518.76,1294.87 7573.59,1240.04 8213.92,1240.04 SW65.3@8268.76,1294.87 8323.59,1240.04 8963.92,1240.04 SW66.3@9018.76,1294.87 9083.62,1230.01 10360.12,1230.01 SW67.3@10424.98,1294.87 10437.98,1307.87 10437.98,1324.23 11118.76,2005.01 v1(11118.76,2070.01) ; SW29.3@1634.78,2794.87 SW29.3@1706.25,2794.87 ; SW21.3@5831.26,3544.87 5886.09,3490.04 6526.42,3490.04 SW22.3@6581.26,3544.87 6636.09,3490.04 7276.42,3490.04 SW23.3@7331.26,3544.87 7386.09,3490.04 8026.42,3490.04 SW24.3@8081.26,3544.87 8136.09,3490.04 8776.42,3490.04 SW25.3@8831.26,3544.87 8886.09,3490.04 9526.42,3490.04 SW26.3@9581.26,3544.87 9636.12,3490.01 9843.76,3490.01 ; 9843.78,3490.04 10651.42,3490.04 SW27.3@10706.26,3544.87 10766.12,3485.01 10924.7,3485.01 v1(10938.76,3470.95) 10938.76,3380.64 11163.76,3155.64 11163.76,2980.01 11058.76,2875.01 ; SW68.3@11924.68,2795.5 12027.21,2795.5 12087.7,2735.01 v1(12348.76,2735.01) ; SW78.3@12018.76,544.9 12073.59,490.06 12713.92,490.06 SW79.3@12768.76,544.9 12823.59,490.06 v1(13463.92,490.06) SW80.3@13518.76,544.9 ; SW55.3@12018.76,3544.87 12061.76,3501.87 12345.62,3501.87 v1(12348.76,3505.01) ; SW29.3@1706.25,2794.87 1761.09,2740.04 2401.42,2740.04 SW30.3@2456.25,2794.87 2511.09,2740.04 3151.42,2740.04 SW31.3@3206.25,2794.87 3261.09,2740.04 3901.42,2740.04 SW32.3@3956.25,2794.87 4011.09,2740.04 4651.42,2740.04 SW33.3@4706.26,2794.87 4761.09,2740.04 5401.42,2740.04 SW34.3@5456.26,2794.87 5511.09,2740.04 6151.42,2740.04 SW35.3@6206.26,2794.87 6261.09,2740.04 6901.42,2740.04 SW36.3@6956.26,2794.87 7011.09,2740.04 7651.42,2740.04 SW37.3@7706.26,2794.87 7761.09,2740.04 8401.42,2740.04 SW38.3@8456.26,2794.87 8511.09,2740.04 9151.42,2740.04 SW39.3@9206.26,2794.87 9261.09,2740.04 9901.42,2740.04 SW40.3@9956.26,2794.87 10016.12,2735.01 10833.9,2735.01 SW41.3@10893.76,2794.87 10893.76,2855.01 10913.76,2875.01 11058.76,2875.01
VCC_LCD: 5.39 LCD1.7 | length 1136.5
  Top Layer w6: LCD1.7@12487.95,4549.07 12745.44,4549.07 12869.98,4673.61 v1(13013.76,4673.61)
  Bottom Layer w6: v1(13013.76,4673.61) 13138.3,4549.07 5.39@13521.26,4549.07
WS2812_CTR1: 5.9 SW1.6 | length 14303.3
  Bottom Layer w6: SW1.6@262.77,4670.48 194.23,4670.48 73.76,4550.01 73.76,4005.01 183.76,3895.01 12945.72,3895.01 13009.23,3958.52 5.9@13521.26,3958.52
WS2812_CTR2: 5.8 SW28.6 | length 14699.3
  Bottom Layer w6: SW28.6@450.27,2795.5 219.68,2795.5 68.76,2946.43 68.76,3615.19 328.59,3875.01 12951.43,3875.01 13015.25,3938.83 5.8@13521.26,3938.83
WS2812_CTR3: 5.7 SW56.6 | length 16255.1
  Top Layer w6: v1(363.76,2905.01) 360.73,2901.98 360.73,2718.95 448.76,2630.92 448.76,2560.01 508.76,2500.01 568.76,2440.01 568.76,2130.01 473.76,2035.01 473.76,1965.01 538.76,1900.01 538.76,1835.01 633.76,1740.01 v1(633.76,1295.01)
  Bottom Layer w6: v1(363.76,2905.01) 363.76,3230.01 253.76,3340.01 253.76,3385.01 108.76,3530.01 108.76,3615.01 v1(328.76,3835.01) 351.44,3857.69 12958.81,3857.69 13020.26,3919.15 5.7@13521.26,3919.15 ; v1(633.76,1295.01) 731.03,1295.01 SW56.6@731.52,1295.5
pads on no net: 5.0 LCD1.0 R1.2 R2.2 R3.2 SW1.P1 SW2.P1 SW3.P1 SW4.P1 SW5.P1 SW6.P1 SW7.P1 SW8.P1 SW9.P1 SW10.P1 SW11.P1 SW12.P1 SW13.P1 SW14.P1 SW15.P1 SW16.P1 SW17.P1 SW18.P1 SW19.P1 SW20.P1 SW21.P1 SW22.P1 SW23.P1 SW24.P1 SW25.P1 SW26.P1 SW27.P1 SW28.P1 SW29.P1 SW30.P1 SW31.P1 SW32.P1 SW33.P1 SW34.P1 SW35.P1 SW36.P1 SW37.P1 SW38.P1 SW39.P1 SW40.P1 SW41.P1 SW42.P1 SW43.P1 SW44.P1 SW45.P1 SW46.P1 SW47.P1 SW48.P1 SW49.P1 SW50.P1 SW51.P1 SW52.P1 SW53.P1 SW54.P1 SW55.P1 SW56.P1 SW57.P1 SW58.P1 SW59.P1 SW60.P1 SW61.P1 SW62.P1 SW63.P1 SW64.P1 SW65.P1 SW66.P1 SW67.P1 SW68.P1 SW69.P1 SW70.P1 SW71.P1 SW72.P1 SW73.P1 SW74.P1 SW75.P1 SW76.P1 SW77.P1 SW78.P1 SW79.P1 SW80.P1 SW81.MT1 SW81.MT2 U2. U2.7 U2.8

## Polygon pours and split planes (outlines as drawn)
GND on Bottom Layer "NONET_L-01_P-001" (solid, remove dead copper, pour order 4): 675,4950 675,4765 1430,4765 1430,4950
GND on Bottom Layer "GND_L02_P003" (hatched 45Degree grid 12 track 8, pour order 3): -360,5715 -360,-194.99 14318.84,-194.99 14318.84,5715
GND on Top Layer "NONET_L-01_P-001" (solid, remove dead copper, pour order 5): 675,4950 675,4765 1430,4765 1430,4950
GND on Top Layer "GND_L01_P001" (hatched 45Degree grid 12 track 8, pour order 1): -300,5565 -300,-420 13969.73,-420 13969.73,5565

## Keep-outs
Keep-Out Layer:
  lines w6: 3125.8,-0.09 cw(c3186.2,50.05) 3246.67,0 7065.71,0 ; 3125.8,0 0,0 0,4875.01 700.01,4875.01 815,4990 815,5295 915,5395 1205,5395 1305,5295 1305,4995 1424.99,4875.01 13687.52,4875.01 13687.52,4618.77 13623.46,4554.72 13623.46,4160.31 13687.52,4096.25 13687.52,0 ; 7065.8,-0.09 cw(c7126.2,50.05) 7186.67,0 13687.52,0 ; 13687.52,0 13687.52,0

## Other copper
Top Layer:
  pour cut-out: 12890.91,4717.16 12745.44,4571.69 12745.44,4549.07 12681.39,4485.01 12513.76,4485.01 12513.76,4425.01 12518.76,4420.01 12638.76,4420.01 12638.76,4280.01 12663.76,4255.01 12864.59,4455.85 13013.76,4455.85 13013.76,4717.16
Bottom Layer:
  pour cut-out: 12291.26,4197.51 12401.26,4197.51 12498.76,4295.01 12498.76,4325.01 12478.76,4345.01 12433.76,4345.01
  pour cut-out: 13013.76,4717.16 13013.76,4455.85 13099.59,4455.85 13193.76,4550.01 13026.61,4717.16

## Silkscreen, mask and mechanical layers (free items; w line width, h text height)
Top Overlay:
  drawing of 1768 lines, arcs and shapes, not listed
  text "|KEYBOARD|" at 11441.28,2057.61 h200
  text "Version-0.0.2" at 11455,1901.7 h160
  text "|Design By SEASKY|" at 11441.28,1760.2 h160
  text "2021/10/18" at 11455,1572.12 h200
Bottom Overlay:
  text "EVQW2001" at 1435,4447.31 h100
Top Solder:
  rectangle: 1275,4825 1360,4875
  rectangle: 705,4830 790,4875
Bottom Solder:
  rectangle: 1275,4825 1360,4875
  rectangle: 705,4830 790,4875.01
Mechanical 1:
  circle w6: c3186.2,650.05 r60
  circle w6: c7126.2,650.05 r60
  circle w6: c5695,145 r62.99
  circle w6: c4680,4235 r62.99
  circle w6: c11335,999.85 r62.99
  circle w6: c11335,4595 r62.99
  circle w6: c1540,825 r62.99
  circle w6: c1540,4055 r62.99
  lines w6: 0,0 3125.8,-0.09 ; 0,0 0,4875.01 ; 0,0 3125.8,0 3125.8,-0.09 ; 0,0 0,4875.01 ; 0,4875.01 700.01,4875.01 815,4990 815,5295 915,5395 1205,5395 1305,5295 1305,4995 1424.99,4875.01 13687.52,4875.01 ; 3125.8,-0.09 cw(c3186.2,50.05) 3246.67,0 ; 3125.8,-0.09 cw(c3186.2,50.05) 3246.67,0 ; 3246.67,0 7065.8,-0.09 ; 3246.67,0 7065.71,0 ; 7065.71,0 7065.8,-0.09 ; 7065.71,0 7065.8,-0.09 ; 7065.8,-0.09 cw(c7126.2,50.05) 7186.67,0 ; 7065.8,-0.09 cw(c7126.2,50.05) 7186.67,0 ; 7186.67,0 13687.52,0 ; 7186.67,0 13687.52,0 ; 13623.46,4160.31 13687.52,4096.25 ; 13623.46,4160.31 13623.46,4554.72 ; 13623.46,4160.31 13623.46,4554.72 ; 13623.46,4160.31 13687.52,4096.25 ; 13623.46,4554.72 13687.52,4618.77 ; 13623.46,4554.72 13687.52,4618.77 ; 13687.52,0 13687.52,4096.25 ; 13687.52,0 13687.52,4096.25 ; 13687.52,0 13687.52,0 ; 13687.52,4618.77 13687.52,4875.01 ; 13687.52,4618.77 13687.52,4875.01 ; 13687.5,4875 13687.52,4875.01